# Allegro board SG2042_EVB_V1_1.brd (continued)
## Routing (per net, layer and track width the routed paths; a pad name or vN(x,y) marks a point on that pad's centre or on a via; arc(x,y) is an arc through that point) (continued)
DDR3_DQ52: length 86.7
  TOP w0.16: U1.T6 v1(114.97,118.15)
  ART10 w0.089: 107.97,120.49 109.19,119.27 111.1,119.27 111.63,118.74 114.38,118.74 v1(114.97,118.15)
  ART10 w0.168: 107.97,120.49 102.71,120.49 95.51,113.29 95.51,97.5 95.1,97.09 95.1,79.05 93.54,77.49 93.3,77.49 92.88,77.91 92.64,77.91 92.35,77.61 92.35,77.38 92.77,76.95 92.77,76.72 92.47,76.42 92.24,76.42 91.81,76.84 91.58,76.84 82.54,67.81 82.54,66.46 81.87,65.79 80.97,65.79 arc(80.65,65.72) 80.38,65.54 80,65.17 arc(79.73,64.99) 79.41,64.92 79.06,64.92 arc(78.73,64.99) 78.46,65.17 78.1,65.53 arc(77.83,65.71) 77.51,65.77 J4.117
DDR3_DQ53: length 84.1
  TOP w0.16: U1.T5 v1(113.97,118.15)
  ART10 w0.089: v1(113.97,118.15) 113.57,118.55 111.45,118.55 110.99,119.01 108.85,119.01 107.97,119.9
  ART10 w0.168: 107.97,119.9 102.95,119.9 96.1,113.05 96.1,97.26 95.69,96.85 95.69,78.8 92.19,75.3 91.95,75.3 91.53,75.73 91.29,75.73 90.99,75.43 90.99,75.19 91.42,74.77 91.42,74.53 91.12,74.23 90.89,74.23 90.46,74.66 90.22,74.66 89.92,74.36 89.92,74.13 90.35,73.7 90.35,73.46 90.06,73.17 89.82,73.17 89.39,73.59 89.15,73.59 88.86,73.3 88.86,73.06 89.29,72.63 89.29,72.39 88.99,72.1 88.75,72.1 88.32,72.53 88.09,72.53 87.79,72.23 87.79,71.99 88.22,71.56 88.22,71.33 87.92,71.03 87.68,71.03 87.26,71.46 87.02,71.46 83.13,67.56 83.13,66.21 82.11,65.2 81.66,65.2 arc(81.6,65.2) 81.53,65.19 arc(81.24,65.1) 80.98,64.92 J4.262
DDR3_DQ54: length 86.4
  TOP w0.16: U1.W6 v1(114.97,115.15)
  ART10 w0.089: 109.34,115.82 109.89,115.27 110.58,115.27 111.08,114.77 114.6,114.77 v1(114.97,115.15)
  ART10 w0.168: J4.124 79.41,59.82 arc(79.73,59.76) 80,59.58 80.21,59.37 arc(80.48,59.19) 80.8,59.13 81.27,59.13 81.42,59.28 81.96,59.28 82.41,59.73 82.65,59.73 82.91,59.47 83.14,59.47 83.44,59.77 83.44,60.01 83.18,60.26 83.18,60.5 83.48,60.8 83.72,60.8 83.98,60.54 84.21,60.54 84.51,60.84 84.51,61.07 84.25,61.33 84.25,61.57 84.55,61.87 84.78,61.87 85.04,61.61 85.28,61.61 85.58,61.9 85.58,62.14 85.32,62.4 85.32,62.64 85.61,62.93 85.85,62.93 86.11,62.67 86.35,62.67 86.64,62.97 86.64,63.21 86.39,63.47 86.39,63.7 99.77,77.09 99.77,95.16 100.18,95.57 100.18,110.95 105.05,115.82 109.34,115.82
DDR3_DQ55: length 87.7
  TOP w0.16: U1.W8 v1(116.97,115.15)
  ART10 w0.089: 109.15,115.23 109.57,115.23 109.79,115.02 110.48,115.02 110.98,114.52 116.35,114.52 v1(116.97,115.15)
  ART10 w0.168: 109.15,115.23 105.29,115.23 100.77,110.71 100.77,95.33 100.36,94.91 100.36,76.84 92.71,69.2 92.71,68.96 92.98,68.7 92.98,68.46 92.68,68.17 92.44,68.17 92.18,68.43 91.94,68.43 91.65,68.13 91.65,67.9 91.91,67.63 91.91,67.4 91.61,67.1 91.37,67.1 91.11,67.36 90.87,67.36 90.58,67.07 90.58,66.83 90.84,66.57 90.84,66.33 90.54,66.03 90.31,66.03 90.04,66.3 89.81,66.3 89.51,66 89.51,65.76 89.77,65.5 89.77,65.26 89.48,64.97 89.24,64.97 88.98,65.23 88.74,65.23 88.44,64.93 88.44,64.69 88.71,64.43 88.71,64.2 88.41,63.9 88.17,63.9 87.91,64.16 87.67,64.16 87.23,63.72 87.23,62.71 83.18,58.66 81.43,58.66 81.27,58.81 79.76,58.81 arc(79.56,58.86) 79.38,58.97 J4.269
DDR3_DQ56: length 91.1
  TOP w0.16: U1.AA8 v1(116.97,113.15)
  ART10 w0.089: 108.46,111.88 108.79,111.88 109.37,112.46 113.65,112.46 113.72,112.52 116.35,112.52 v1(116.97,113.15)
  ART10 w0.168: J4.130 79.41,54.72 arc(79.73,54.66) 80,54.48 80.21,54.27 arc(80.48,54.09) 80.8,54.03 81.27,54.03 81.63,54.38 82.38,54.38 82.55,54.22 82.55,53.89 82.72,53.72 83.14,53.72 83.31,53.89 83.31,54.22 83.47,54.38 91.79,54.38 103.71,66.31 103.71,93.53 104.12,93.94 104.12,109.32 106.68,111.88 108.46,111.88
DDR3_DQ57: length 89.7
  TOP w0.16: U1.AB5 v1(113.97,112.15)
  ART10 w0.089: v1(113.97,112.15) 109.5,112.15 108.65,111.29
  ART10 w0.168: J4.275 79.38,53.87 arc(79.56,53.76) 79.76,53.71 81.27,53.71 81.85,53.13 83.82,53.13 83.99,53.3 83.99,53.63 84.15,53.8 84.57,53.8 84.74,53.63 84.74,53.3 84.91,53.13 85.33,53.13 85.49,53.3 85.49,53.63 85.66,53.8 86.08,53.8 86.25,53.63 86.25,53.3 86.42,53.13 86.84,53.13 87,53.3 87,53.63 87.17,53.8 87.59,53.8 87.76,53.63 87.76,53.3 87.93,53.13 88.34,53.13 88.51,53.3 88.51,53.63 88.68,53.8 89.1,53.8 89.27,53.63 89.27,53.3 89.43,53.13 89.85,53.13 90.02,53.3 90.02,53.63 90.19,53.8 90.61,53.8 90.78,53.63 90.78,53.3 90.94,53.13 91.36,53.13 104.29,66.06 104.29,93.28 104.71,93.69 104.71,109.08 106.92,111.29 108.65,111.29
DDR3_DQ58: length 91.1
  TOP w0.16: U1.AE5 v1(113.97,109.15)
  ART10 w0.089: 108.86,107.47 109.14,107.74 113.16,107.74 113.38,107.96 113.38,108.48 113.97,109.07 v1(113.97,109.15)
  ART10 w0.168: J4.137 77.51,48.77 arc(77.83,48.71) 78.1,48.53 78.46,48.17 arc(78.73,47.99) 79.05,47.92 79.41,47.92 arc(79.73,47.99) 80,48.17 80.21,48.37 arc(80.48,48.55) 80.8,48.62 81.94,48.62 83.37,47.19 91.19,47.19 108.37,64.37 108.37,91.59 108.79,92 108.79,107.39 108.86,107.47
DDR3_DQ59: length 92.6
  TOP w0.16: U1.AE7 v1(115.97,109.15)
  ART10 w0.089: v1(115.97,109.15) 115.38,108.55 113.72,108.55 113.57,108.4 113.57,107.88 113.24,107.55 109.47,107.55 109.37,107.45 109.37,107.14
  ART10 w0.168: J4.282 82.3,46.6 83.2,46.6 83.37,46.44 83.37,46.09 83.54,45.92 83.93,45.92 84.1,46.09 84.1,46.44 84.27,46.6 84.66,46.6 84.83,46.44 84.83,46.09 85,45.92 85.39,45.92 85.56,46.09 85.56,46.44 85.72,46.6 86.12,46.6 86.28,46.44 86.28,46.09 86.45,45.92 86.84,45.92 87.01,46.09 87.01,46.44 87.18,46.6 87.57,46.6 87.74,46.44 87.74,46.09 87.91,45.92 88.3,45.92 88.47,46.09 88.47,46.44 88.63,46.6 89.03,46.6 89.19,46.44 89.19,46.09 89.36,45.92 89.75,45.92 89.92,46.09 89.92,46.44 90.09,46.6 91.43,46.6 108.96,64.13 108.96,90.13 109.58,90.75 109.58,91.54 109.37,91.75 109.37,107.14
DDR3_DQ60: length 88.5
  TOP w0.16: U1.AA5 v1(113.97,113.15)
  ART10 w0.089: v1(113.97,113.15) 113.5,113.15 113.13,113.52 111.74,113.52 111.31,113.08 109.11,113.08 109.08,113.05 108.74,113.05
  ART10 w0.168: J4.128 79.41,56.42 arc(79.73,56.36) 80,56.18 80.21,55.97 arc(80.48,55.79) 80.8,55.73 81.27,55.73 81.42,55.88 84.1,55.88 84.91,56.69 89.21,56.69 89.38,56.53 89.38,56.23 89.54,56.06 89.96,56.06 90.13,56.23 90.13,56.53 90.3,56.69 90.72,56.69 90.88,56.53 90.88,56.23 91.05,56.06 91.47,56.06 91.64,56.23 91.64,56.53 91.81,56.69 92.43,56.69 102.53,66.79 102.53,94.01 102.95,94.42 102.95,109.81 106.19,113.05 108.74,113.05
DDR3_DQ61: length 89.1
  TOP w0.16: U1.AA6 v1(114.97,113.15)
  ART10 w0.089: v1(114.97,113.15) 114.6,112.77 109.24,112.77 108.94,112.47 108.61,112.47
  ART10 w0.168: J4.273 79.38,55.57 arc(79.56,55.46) 79.76,55.41 81.27,55.41 81.43,55.26 84.91,55.26 85.08,55.43 85.08,55.92 85.25,56.08 85.67,56.08 85.84,55.92 85.84,55.43 86,55.26 86.42,55.26 86.59,55.43 86.59,55.92 86.76,56.08 87.18,56.08 87.35,55.92 87.35,55.43 87.51,55.26 87.93,55.26 88.1,55.43 88.1,55.92 88.27,56.08 88.69,56.08 88.85,55.92 88.85,55.43 89.02,55.26 91.83,55.26 103.12,66.55 103.12,93.77 103.53,94.18 103.53,109.57 106.43,112.47 108.61,112.47
DDR3_DQ62: length 93.9
  TOP w0.16: U1.AD8 v1(116.97,110.15)
  ART10 w0.089: 108.45,107.88 109.12,108.55 111.78,108.55 112.75,109.52 116.35,109.52 v1(116.97,110.15)
  ART10 w0.168: J4.135 77.51,50.47 arc(77.83,50.41) 78.1,50.23 78.46,49.87 arc(78.73,49.69) 79.06,49.62 79.41,49.62 arc(79.73,49.56) 80,49.38 80.21,49.17 arc(80.48,48.99) 80.8,48.93 82.19,48.93 82.32,48.79 83.09,48.79 84.1,47.78 90.95,47.78 107.79,64.62 107.79,91.84 108.2,92.25 108.2,107.63 108.45,107.88
DDR3_DQ63: length 91.6
  TOP w0.16: U1.AD6 v1(114.97,110.15)
  ART10 w0.089: v1(114.97,110.15) 114.54,109.72 112.67,109.72 111.7,108.74 109.04,108.74 108.59,108.3 108.03,108.3
  ART10 w0.168: J4.280 80.98,49.62 arc(81.25,49.44) 81.57,49.38 83.89,49.38 84.06,49.21 84.06,48.68 84.23,48.51 84.65,48.51 84.81,48.68 84.81,49.21 84.98,49.38 85.4,49.38 85.57,49.21 85.57,48.68 85.74,48.51 86.16,48.51 86.32,48.68 86.32,49.21 86.49,49.38 86.91,49.38 87.08,49.21 87.08,48.68 87.24,48.51 87.66,48.51 87.83,48.68 87.83,49.21 88,49.38 88.42,49.38 88.59,49.21 88.59,48.68 88.75,48.51 89.17,48.51 89.34,48.68 89.34,49.21 89.51,49.38 89.93,49.38 90.09,49.21 90.09,48.68 90.26,48.51 90.68,48.51 90.85,48.68 90.85,49.21 91.02,49.38 91.72,49.38 107.2,64.86 107.2,92.08 107.61,92.49 107.61,107.87 108.03,108.3
DDR3_DQS0_N: length 59.7
  TOP w0.109: U1.D11 120.66,130.84 120.85,130.84 121.08,131.07 121.08,135.06 121.11,135.09 121.11,135.15
  TOP w0.14: J4.152 80.44,163.23 arc(80.34,163.11) 80.36,162.96 80.38,162.92 arc(80.43,162.86) 80.52,162.84 91.12,162.84 110.89,143.06 116.05,143.06 121.11,138 121.11,135.15
DDR3_DQS0_P: length 59.7
  TOP w0.109: U1.C11 120.47,131.16 120.58,131.05 120.76,131.05 120.87,131.16 120.87,131.89 120.8,131.96 120.73,132.03 120.73,132.26 120.8,132.33 120.87,132.4 120.87,132.89 120.8,132.96 120.73,133.03 120.73,133.26 120.8,133.33 120.87,133.4 120.87,133.89 120.8,133.96 120.73,134.03 120.73,134.26 120.8,134.33 120.87,134.4 120.87,134.92 120.78,135.01 120.78,135.15
  TOP w0.14: J4.153 80.28,162.52 arc(80.34,162.51) 80.4,162.51 90.98,162.51 110.76,142.73 115.91,142.73 120.78,137.86 120.78,135.15
DDR3_DQS1_N: length 49.5
  TOP w0.109: 114.73,135.68 114.75,135.66 114.83,135.66 114.97,135.53 114.97,135.44 114.96,135.35 115.13,135.19 115.31,135.19 115.47,135.03 115.47,134.52 115.87,134.12 115.87,133.4 115.8,133.33 115.73,133.26 115.73,133.03 115.8,132.96 115.87,132.89 115.87,132.4 115.8,132.33 115.73,132.26 115.73,132.03 115.8,131.96 115.87,131.89 115.87,131.21 115.75,131.09 115.59,131.09 115.47,131.21 U1.C6
  TOP w0.14: 114.73,135.68 113.32,137.09 97.43,137.09 82.21,152.31 80.97,152.31 arc(80.57,152.38) 80.24,152.61 79.82,153.03 arc(79.81,153.03) 79.81,153.04 arc(79.7,153.17) 79.63,153.33 J4.163
DDR3_DQS1_P: length 49.6
  TOP w0.109: 114.96,135.92 114.96,135.83 115.68,135.11 115.68,134.61 116.08,134.21 116.08,131.12 115.83,130.88 115.7,130.88 U1.D6
  TOP w0.14: 114.96,135.92 113.46,137.42 97.56,137.42 82.35,152.64 80.97,152.64 arc(80.7,152.69) 80.47,152.84 80.05,153.26 arc(79.97,153.42) 80,153.6 80,153.6 arc(80.12,153.71) 80.28,153.69 J4.164
DDR3_DQS2_N: length 55.5
  TOP w0.14: U1.E12 v1(121.97,130.15)
  ART10 w0.109: v1(121.97,130.15) 121.97,129.89 121.86,129.78 121.69,129.78 121.58,129.89 121.58,133.92 122.1,134.44 122.1,135.09 122.13,135.12 122.13,135.15
  ART10 w0.145: J4.174 80.45,144.54 arc(80.36,144.42) 80.37,144.27 80.42,144.18 arc(80.46,144.13) 80.52,144.11 arc(80.62,144.1) 80.71,144.1 95.09,144.1 96.24,142.95 99.62,142.95 100.67,144 115.3,144 122.13,137.18 122.13,135.15
DDR3_DQS2_P: length 55.5
  TOP w0.14: U1.F12 v1(121.97,129.15)
  ART10 w0.109: 121.86,135.15 121.86,135.12 121.89,135.09 121.89,134.53 121.37,134.01 121.37,129.8 121.61,129.57 121.93,129.57 122.03,129.46 122.03,129.21 v1(121.97,129.15)
  ART10 w0.145: 121.86,135.15 121.86,137.07 115.19,143.74 100.78,143.74 99.73,142.69 96.13,142.69 94.98,143.84 80.71,143.84 arc(80.33,143.85) 79.95,143.89 J4.175
DDR3_DQS3_N: length 43.2
  TOP w0.14: U1.F7 v1(115.97,129.15)
  ART10 w0.109: v1(115.97,129.15) 115.97,129.48 115.86,129.59 115.62,129.59 115.37,129.84 115.37,132.99 114.3,134.06 114.26,134.06 114.24,134.08
  ART10 w0.145: 114.24,134.08 113.54,134.78 84.61,134.78 83.47,133.64 80.96,133.64 arc(80.58,133.71) 80.26,133.93 79.84,134.35 arc(79.74,134.48) 79.67,134.63 J4.185
DDR3_DQS3_P: length 43.1
  TOP w0.14: U1.E7 v1(115.97,130.15)
  ART10 w0.109: 114.43,134.26 114.45,134.25 114.45,134.21 115.58,133.08 115.58,129.93 115.7,129.8 115.86,129.8 115.97,129.92 v1(115.97,130.15)
  ART10 w0.145: 114.43,134.26 113.65,135.04 84.5,135.04 83.36,133.9 80.96,133.9 arc(80.69,133.96) 80.45,134.12 80.03,134.53 arc(79.98,134.64) 80,134.75 80.08,134.9 arc(80.19,134.99) 80.32,134.97 J4.186
DDR3_DQS4_N: length 55.3
  TOP w0.109: 108.97,116.27 109,116.27 109.02,116.25 110.95,116.25 111.07,116.36 111.07,116.54 110.96,116.65 U1.V1
  TOP w0.14: J4.244 80.43,79.93 arc(80.34,79.82) 80.36,79.67 80.39,79.61 arc(80.44,79.56) 80.51,79.54 82.71,79.54 100.29,97.11 100.29,110.01 106.54,116.27 108.97,116.27
DDR3_DQS4_P: length 55.3
  TOP w0.109: 108.97,115.94 109,115.94 109.1,116.04 111.04,116.04 111.28,116.28 111.28,116.45 U1.V2
  TOP w0.14: 108.97,115.94 106.68,115.94 100.62,109.87 100.62,96.98 82.85,79.21 80.37,79.21 arc(80.31,79.21) 80.25,79.22 J4.245
DDR3_DQS5_N: length 62.2
  TOP w0.109: U1.AC2 111.24,111.42 111.24,111.28 111,111.04 109.72,111.04 108.72,110.04 108.72,109.93 108.69,109.93 108.56,109.8
  TOP w0.14: 108.56,109.8 106.43,107.66 106.43,88.48 86.96,69.01 80.96,69.01 arc(80.57,69.09) 80.23,69.31 79.81,69.74 arc(79.7,69.87) 79.63,70.03 J4.255
DDR3_DQS5_P: length 62.1
  TOP w0.109: 108.33,110.03 108.43,110.13 108.51,110.13 108.51,110.13 109.63,111.25 110.92,111.25 111.03,111.37 111.03,111.54 110.92,111.65 U1.AC1
  TOP w0.14: 108.33,110.03 106.1,107.8 106.1,88.61 86.83,69.34 80.96,69.34 arc(80.69,69.4) 80.47,69.55 80.04,69.97 arc(79.97,70.12) 80,70.28 80.02,70.32 arc(80.13,70.41) 80.27,70.4 J4.256
DDR3_DQS6_N: length 82.7
  TOP w0.14: U1.U7 v1(115.97,117.15)
  ART10 w0.109: 107.97,116.91 107.99,116.91 108.02,116.88 110.09,116.88 111.22,115.75 116.16,115.75 116.37,115.96 116.37,116.8 116.45,116.88 116.45,117.04 116.34,117.15 v1(115.97,117.15)
  ART10 w0.145: J4.266 80.43,61.23 arc(80.35,61.13) 80.36,61 80.41,60.91 arc(80.48,60.83) 80.58,60.8 81.94,60.8 98.68,77.54 98.68,95.61 99.09,96.02 99.09,111.41 104.59,116.91 107.97,116.91
DDR3_DQS6_P: length 82.8
  TOP w0.14: U1.U8 v1(116.97,117.15)
  ART10 w0.109: v1(116.97,117.15) 116.97,117.11 116.58,116.71 116.58,115.87 116.25,115.54 111.13,115.54 110,116.67 108.02,116.67 107.99,116.65 107.97,116.65
  ART10 w0.145: 107.97,116.65 104.7,116.65 99.35,111.3 99.35,95.91 98.94,95.5 98.94,77.43 82.05,60.54 80.38,60.54 arc(80.33,60.54) 80.28,60.55 J4.267
DDR3_DQS7_N: length 90.4
  TOP w0.14: U1.AB8 v1(116.97,112.15)
  ART10 w0.109: 107.97,109.21 107.99,109.21 108.02,109.24 109.02,109.24 109.83,110.04 110.72,110.04 111.22,110.54 116.31,110.54 116.58,110.81 116.58,111.69 116.97,112.09 v1(116.97,112.15)
  ART10 w0.145: J4.277 79.67,51.33 arc(79.74,51.18) 79.84,51.05 80.26,50.63 arc(80.58,50.41) 80.96,50.34 91.51,50.34 106.37,65.2 106.37,92.42 106.79,92.83 106.79,108.22 107.78,109.21 107.97,109.21
DDR3_DQS7_P: length 90.4
  TOP w0.14: U1.AB7 v1(115.97,112.15)
  ART10 w0.109: v1(115.97,112.15) 116.35,112.15 116.46,112.04 116.46,111.88 116.37,111.79 116.37,110.9 116.22,110.75 111.13,110.75 110.63,110.25 109.74,110.25 108.94,109.45 108.02,109.45 107.99,109.47 107.97,109.47
  ART10 w0.145: 107.97,109.47 107.67,109.47 106.52,108.33 106.52,92.94 106.11,92.53 106.11,65.31 91.4,50.6 80.96,50.6 arc(80.69,50.66) 80.45,50.82 80.06,51.2 arc(79.98,51.36) 80.01,51.53 80.02,51.55 arc(80.17,51.67) 80.35,51.66 J4.278
DDR3_ECC_DM_N: length 40
  TOP w0.109: U1.C2 111.18,131.94 111.18,132.01 110.93,132.25 109.07,132.25 108.99,132.34 108.97,132.34
  TOP w0.14: J4.52 76.47,126.5 arc(76.33,126.51) 76.22,126.42 76.2,126.38 arc(76.17,126.22) 76.24,126.07 76.67,125.64 arc(76.9,125.49) 77.17,125.44 77.5,125.44 arc(77.77,125.49) 77.99,125.64 78.34,125.99 arc(78.67,126.21) 79.07,126.29 79.4,126.29 arc(79.67,126.34) 79.89,126.49 80.24,126.84 arc(80.57,127.06) 80.97,127.14 83.09,127.14 88.29,132.34 108.97,132.34
DDR3_ECC_DM_P: length 39.9
  TOP w0.109: U1.C1 110.86,131.65 110.97,131.76 110.97,131.92 110.84,132.04 109.03,132.04 109,132.01 108.97,132.01
  TOP w0.14: 108.97,132.01 88.43,132.01 83.22,126.81 80.97,126.81 arc(80.7,126.75) 80.47,126.6 80.13,126.26 arc(79.79,126.03) 79.4,125.96 79.07,125.96 arc(78.8,125.9) 78.57,125.75 78.23,125.41 arc(77.89,125.18) 77.5,125.11 77.17,125.11 arc(76.77,125.18) 76.44,125.41 76.01,125.84 arc(75.9,125.97) 75.83,126.13 J4.51
DDR3_ECC_DQ0: length 42
  TOP w0.089: 91.08,134.04 91.25,134.21 93.43,134.21 94.16,133.48 109.27,133.48 109.5,133.25 110.82,133.25 111.03,133.04 113.08,133.04 U1.B4
  TOP w0.16: J4.49 77.53,128.67 arc(77.83,128.61) 78.09,128.44 78.47,128.06 arc(78.73,127.88) 79.04,127.82 79.43,127.82 arc(79.73,127.88) 79.99,128.06 80.43,128.49 arc(80.69,128.67) 80.99,128.73 82.43,128.73 83.94,130.24 83.94,131.24 86.75,134.04 91.08,134.04
DDR3_ECC_DQ1: length 35.5
  TOP w0.114: U1.B2 111.02,132.65 110.62,133.05 109.25,133.05 109.19,133.1 94.01,133.1 93.27,133.83 91.59,133.83 91.08,133.32
  TOP w0.16: 91.08,133.32 88.04,133.32 87.1,132.38 86.87,132.38 86.6,132.65 86.37,132.65 86.09,132.37 86.09,132.14 86.36,131.87 86.36,131.65 86.08,131.36 85.86,131.36 85.58,131.63 85.36,131.63 85.07,131.35 85.07,131.13 85.35,130.85 85.35,130.63 82.73,128.01 81.43,128.01 arc(81.19,127.96) 80.99,127.82 J4.194
DDR3_ECC_DQ2: length 38.7
  TOP w0.089: U1.E1 109.81,129.65 109.66,129.5 90.32,129.5 89.14,128.32 89.14,128
  TOP w0.16: 89.14,128 88.93,127.79 88.93,124.67 86.49,122.23 81.47,122.23 81.27,122.03 80.78,122.03 arc(80.47,122.09) 80.21,122.27 79.99,122.49 arc(79.73,122.66) 79.43,122.72 J4.56
DDR3_ECC_DQ3: length 39.9
  TOP w0.114: U1.E4 112.96,129.13 90.47,129.13 89.65,128.31 89.65,127.49
  TOP w0.16: J4.201 79.38,121.87 arc(79.56,121.75) 79.77,121.71 81.27,121.71 81.47,121.51 86.79,121.51 89.65,124.37 89.65,127.49
DDR3_ECC_DQ4: length 41.8
  TOP w0.114: U1.A2 110.8,134.32 109.37,134.32 109.26,134.2 94.46,134.2 93.73,134.94 91.63,134.94 91.08,135.48
  TOP w0.16: 91.08,135.48 83.08,135.48 82.5,134.9 82.5,130.84 82.04,130.37 80.94,130.37 arc(80.63,130.31) 80.37,130.14 79.99,129.76 arc(79.73,129.58) 79.43,129.52 79.04,129.52 arc(78.73,129.58) 78.47,129.76 78.09,130.14 arc(77.83,130.31) 77.53,130.37 J4.47
DDR3_ECC_DQ5: length 40.4
  TOP w0.089: 91.08,134.76 91.28,134.57 93.57,134.57 94.31,133.83 109.32,133.83 109.58,134.09 110.67,134.09 110.97,133.78 110.97,133.5 111.23,133.25 112.08,133.25 U1.A3
  TOP w0.16: J4.192 82.2,129.52 83.22,130.54 83.22,134.6 83.38,134.76 83.78,134.76 83.94,134.6 83.94,133.13 84.1,132.97 84.5,132.97 84.66,133.13 84.66,134.6 84.82,134.76 91.08,134.76
DDR3_ECC_DQ6: length 40.4
  TOP w0.114: U1.D1 109.64,130.65 109.22,130.23 90.02,130.23 88.82,129.02 88.12,129.02
  TOP w0.16: J4.54 79.43,124.42 arc(79.73,124.36) 79.99,124.19 80.21,123.97 80.69,123.74 80.7,123.73 81.27,123.73 81.47,123.93 83.03,123.93 83.39,124.29 83.62,124.29 83.97,123.93 84.26,123.93 84.51,124.19 84.51,124.41 84.13,124.8 84.13,125.02 84.41,125.31 84.64,125.31 85.02,124.92 85.25,124.92 85.53,125.21 85.53,125.43 85.15,125.82 85.15,126.04 85.43,126.33 85.65,126.33 86.04,125.94 86.27,125.94 86.55,126.22 86.55,126.45 86.16,126.84 86.16,127.06 88.12,129.02
DDR3_ECC_DQ7: length 42.5
  TOP w0.089: 88.63,128.51 88.83,128.51 90.17,129.86 109.42,129.86 109.71,130.15 110.97,130.15 U1.E2
  TOP w0.16: J4.199 79.38,123.57 arc(79.56,123.45) 79.77,123.41 81.27,123.41 81.47,123.21 84.56,123.21 85.02,123.68 85.25,123.68 85.96,122.97 86.19,122.97 86.47,123.25 86.47,123.47 85.76,124.19 85.76,124.41 86.04,124.7 86.27,124.7 86.98,123.98 87.2,123.98 87.49,124.27 87.49,124.49 86.78,125.21 86.78,125.43 87.06,125.71 87.28,125.71 87.68,125.32 87.93,125.32 88.2,125.59 88.2,125.82 87.18,126.84 87.18,127.06 88.63,128.51
DDR3_ECC_DQS_N: length 36.9
  TOP w0.109: U1.D4 113.19,130.93 113.19,131.02 112.96,131.25 109.06,131.25 109,131.31 108.97,131.31
  TOP w0.14: J4.196 80.44,125.83 arc(80.34,125.71) 80.36,125.56 80.38,125.52 arc(80.43,125.46) 80.52,125.44 82.84,125.44 88.72,131.31 108.97,131.31
DDR3_ECC_DQS_P: length 36.8
  TOP w0.109: 108.97,130.98 109.11,130.98 109.17,131.04 112.87,131.04 112.98,130.93 112.98,130.76 112.87,130.65 U1.D3
  TOP w0.14: J4.197 80.28,125.12 arc(80.34,125.11) 80.4,125.11 82.98,125.11 88.85,130.98 108.97,130.98
DDR3_EVENT_N: length 100.8
  TOP w0.102: J4.78 76.42,99.69 64.47,99.69 R13.1 64.36,100.38 v1(64.39,100.41) ; R2389.2 v1(26.72,153.92)
  ART03 w0.102: v1(64.39,100.41) 63.45,99.47 37.11,99.47 v1(36.78,99.8)
  ART10 w0.102: v1(36.78,99.8) 36.6,99.97 36.6,124.45 27.3,133.75 27.3,153.34 v1(26.72,153.92)
DDR3_EVENT_N_L: length 26
  TOP w0.102: R600.2 v1(10.69,132.26) ; U2010.5 v1(16.75,153.92)
  ART10 w0.102: v1(16.75,153.92) 16.28,153.45 16.28,137.85 v1(10.69,132.26)
DDR3_MA0: length 60.3
  TOP w0.089: U1.P2 110.97,121.15 110.21,121.15 109.96,120.89 105.2,120.89 95.48,111.17 95.48,110.97
  TOP w0.16: 95.48,110.97 95.14,110.63 95.14,104.69 90.67,100.22 88.91,100.22 88.75,100.06 88.75,98.59 88.59,98.43 88.19,98.43 88.03,98.59 88.03,100.06 87.87,100.22 87.47,100.22 87.31,100.06 87.31,99.2 87.15,99.04 86.75,99.04 86.59,99.2 86.59,100.06 86.43,100.22 86.03,100.22 85.87,100.06 85.87,99.2 85.71,99.04 85.31,99.04 85.15,99.2 85.15,100.06 84.99,100.22 84.59,100.22 84.43,100.06 84.43,99.2 84.27,99.04 83.87,99.04 83.71,99.2 83.71,100.06 83.55,100.22 83.15,100.22 82.99,100.06 82.99,99.2 82.83,99.04 82.43,99.04 82.27,99.2 82.27,100.06 82.11,100.22 80.23,100.22 78.32,98.31 arc(78.06,98.13) 77.75,98.07 J4.79
DDR3_MA1: length 58.7
  TOP w0.089: 95.03,111.42 95.23,111.42 105.05,121.25 109.77,121.25 110.17,121.65 U1.N1
  TOP w0.16: 95.03,111.42 93.36,109.75 89.99,109.75 88.51,108.27 87.61,108.27 87.45,108.11 87.45,105.8 87.29,105.64 86.89,105.64 86.73,105.8 86.73,108.11 86.57,108.27 86.17,108.27 86.01,108.11 86.01,105.8 85.85,105.64 85.45,105.64 85.29,105.8 85.29,108.11 85.13,108.27 84.73,108.27 84.57,108.11 84.57,105.8 84.41,105.64 84.01,105.64 83.85,105.8 83.85,108.11 83.69,108.27 83.29,108.27 83.13,108.11 83.13,105.8 82.97,105.64 82.57,105.64 82.41,105.8 82.41,108.11 82.25,108.27 80.94,108.27 arc(80.63,108.33) 80.37,108.51 79.99,108.89 arc(79.73,109.06) 79.43,109.12 J4.72
DDR3_MA2: length 51
  TOP w0.16: U1.H4 v1(113.97,127.15)
  ART10 w0.168: v1(113.97,127.15) 113.47,127.65 111.8,127.65 109.72,129.73 108.85,129.73 108.4,130.18 98.67,130.18 95.95,127.46 95.71,127.46 95.27,127.9 95.03,127.9 94.73,127.6 94.73,127.37 95.18,126.92 95.18,126.69 94.88,126.39 94.64,126.39 94.2,126.83 93.96,126.83 93.66,126.54 93.66,126.3 94.11,125.86 94.11,125.62 93.81,125.32 93.58,125.32 93.13,125.77 92.89,125.77 81.89,114.76 81.89,111.89 81.66,111.66 80.95,111.66 arc(80.67,111.6) 80.43,111.44 80.4,111.42 arc(80.24,111.18) 80.19,110.89 80.19,110.26 arc(80.25,109.94) 80.43,109.67 J4.216
DDR3_MA3: length 54.8
  TOP w0.16: U1.N3 v1(111.97,122.15)
  ART05 w0.168: v1(111.97,122.15) 100.63,122.15 90.14,111.66 89.37,111.66 89.2,111.49 89.2,110.35 89.03,110.19 88.61,110.19 88.44,110.35 88.44,111.49 88.28,111.66 87.86,111.66 87.69,111.49 87.69,110.35 87.52,110.19 87.1,110.19 86.94,110.35 86.94,111.49 86.77,111.66 86.35,111.66 86.18,111.49 86.18,110.35 86.01,110.19 85.59,110.19 85.43,110.35 85.43,111.49 85.26,111.66 84.84,111.66 84.67,111.49 84.67,110.35 84.5,110.19 84.09,110.19 83.92,110.35 83.92,111.49 83.75,111.66 83.33,111.66 83.16,111.49 83.16,110.35 83,110.19 82.58,110.19 82.41,110.35 82.41,111.49 82.24,111.66 80.94,111.66 arc(80.62,111.59) 80.35,111.41 80,111.07 arc(79.73,110.89) 79.41,110.82 79.05,110.82 arc(78.73,110.76) 78.46,110.58 78.1,110.22 arc(77.83,110.04) 77.51,109.97 J4.71
DDR3_MA4: length 59.1
  TOP w0.089: 94.58,111.87 95.18,111.87 104.91,121.6 109.61,121.6 110.26,122.25 111.08,122.25 U1.M2
  TOP w0.16: 94.58,111.87 93.1,110.39 88.7,110.39 88.54,110.23 88.54,109.23 88.38,109.07 87.98,109.07 87.82,109.23 87.82,111.68 87.63,111.86 87.26,111.86 87.1,111.7 87.1,109.23 86.94,109.07 86.54,109.07 86.38,109.23 86.38,111.68 86.19,111.86 85.82,111.86 85.66,111.7 85.66,109.23 85.5,109.07 85.1,109.07 84.94,109.23 84.94,111.68 84.75,111.86 84.38,111.86 84.22,111.7 84.22,109.23 84.06,109.07 83.66,109.07 83.5,109.23 83.5,111.68 83.31,111.86 82.94,111.86 82.78,111.7 82.78,109.23 82.62,109.07 82.22,109.07 82.06,109.23 82.06,110.66 81.9,110.82 J4.214
DDR3_MA5: length 47.2
  TOP w0.16: U1.G3 v1(112.97,128.15)
  ART10 w0.168: v1(112.97,128.15) 112.59,128.15 110.51,130.23 109.06,130.23 108.61,130.68 98.46,130.68 96.18,128.4 94.82,128.4 85.44,119.03 85.21,119.03 84.98,119.26 84.74,119.26 84.44,118.96 84.44,118.72 84.67,118.49 84.67,118.26 84.38,117.96 84.14,117.96 83.91,118.19 83.67,118.19 83.37,117.89 83.37,117.66 83.61,117.43 83.61,117.19 83.31,116.89 83.07,116.89 82.84,117.12 82.6,117.12 82.31,116.83 82.31,116.59 82.54,116.36 82.54,116.12 81.49,115.07 80.79,115.07 arc(80.57,115.03) 80.38,114.9 80.35,114.88 arc(80.23,114.69) 80.18,114.46 80.18,112.82 arc(80.12,112.5) 79.94,112.23 J4.213
DDR3_MA6: length 53.7
  TOP w0.16: U1.M3 v1(111.97,123.15)
  ART05 w0.168: J4.69 77.51,111.67 arc(77.83,111.74) 78.1,111.92 78.46,112.28 arc(78.73,112.46) 79.05,112.52 79.41,112.52 arc(79.73,112.59) 80,112.77 80.3,113.06 arc(80.57,113.25) 80.89,113.31 82.24,113.31 82.41,113.48 82.41,114.84 82.58,115.01 83,115.01 83.16,114.84 83.16,113.48 83.33,113.31 83.75,113.31 83.92,113.48 83.92,114.84 84.09,115.01 84.5,115.01 84.67,114.84 84.67,113.48 84.84,113.31 85.26,113.31 85.43,113.48 85.43,114.84 85.59,115.01 86.01,115.01 86.18,114.84 86.18,113.48 86.35,113.31 86.77,113.31 86.94,113.48 86.94,114.84 87.1,115.01 87.52,115.01 87.69,114.84 87.69,113.48 87.86,113.31 90.8,113.31 100.63,123.15 v1(111.97,123.15)
DDR3_MA7: length 47.5
  TOP w0.16: U1.G4 v1(113.97,128.15)
  ART10 w0.168: v1(113.97,128.15) 113.56,128.15 112.95,128.75 112.7,128.75 110.72,130.73 109.27,130.73 108.82,131.19 98.25,131.19 95.97,128.91 94.58,128.91 86.69,121.04 86.46,121.04 86.24,121.25 86,121.25 85.71,120.96 85.7,120.72 85.92,120.5 85.92,120.27 85.63,119.97 85.39,119.97 85.17,120.19 84.93,120.19 81.51,116.77 80.95,116.77 arc(80.63,116.71) 80.36,116.53 80,116.17 arc(79.73,115.99) 79.41,115.92 79.21,115.92 arc(78.89,115.86) 78.61,115.68 78.53,115.59 arc(78.35,115.32) 78.28,115 78.28,114.82 arc(78.35,114.5) 78.53,114.23 J4.211
